# Allegro board parallella_gen1.brd (continued)
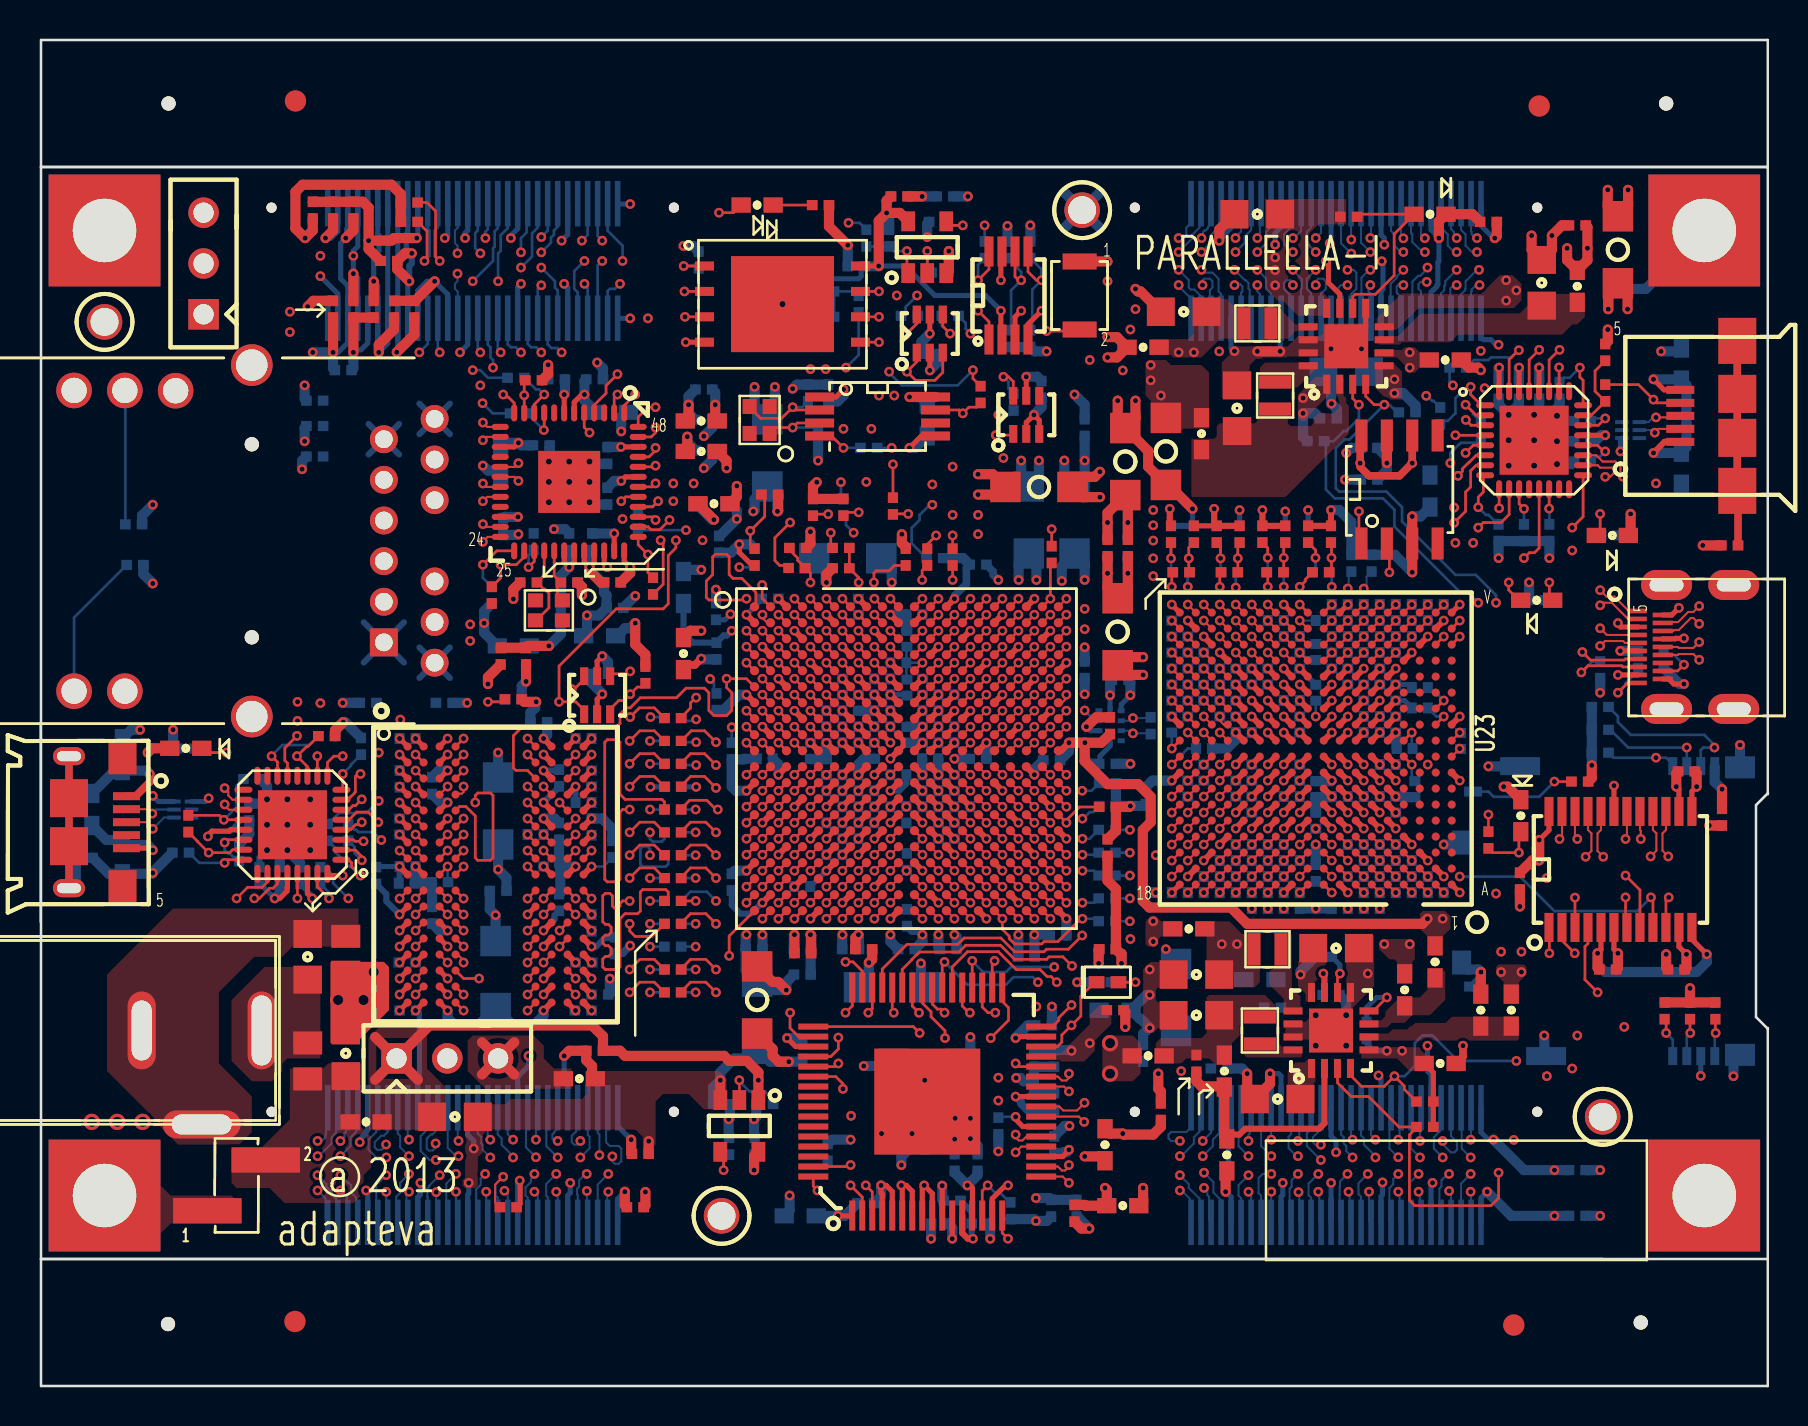
[diagram p0: board, top side]
## Routing (per net, layer and track width the routed paths; a pad name or vN(x,y) marks a point on that pad's centre or on a via; arc(x,y) is an arc through that point) (continued)
GPIO19_P: length 38.2
  TOP w0.102: v1(41.73,23.37) U2.Y9
  L3_SIG w0.095: v1(17.33,11.43) 17.53,11.63 17.76,11.63 18.06,11.94 18.06,12.76 19.28,13.97 20.5,13.97 20.88,14.35 24.44,14.35 25.12,15.04 27.99,15.04 30.41,17.45 36.57,17.45 36.95,17.83 39.35,17.83 39.87,18.35 39.87,19.04 39.42,19.48 39.17,19.48 39.09,19.56 39.09,20.83 39.17,20.9 39.42,20.9 39.63,20.7 39.63,20.57 39.93,20.27 40.58,20.27 41.01,20.7 41.01,21.51 41.63,22.13 41.63,23.26 v1(41.73,23.37)
  BOTTOM w0.102: v1(17.33,11.43) 16.82,11.43 16.44,11.81 16.44,12.32 16.82,12.7 16.82,13.84 J11.50
GPIO20_N: length 37.4
  TOP w0.102: U2.Y6 v1(39.33,23.37)
  L5_SIG w0.095: v1(15.03,10.54) 15.17,10.4 15.17,10.29 15.27,10.19 15.52,10.19 15.93,10.59 16.44,10.59 16.51,10.67 16.51,10.85 16.22,11.14 16.22,11.68 16.55,12.01 16.55,12.45 16.4,12.59 16.4,13.23 17.33,14.15 18.31,14.15 19.58,15.42 20.88,15.42 21.47,16 21.47,17.02 22.15,17.7 23.62,17.7 23.82,17.51 28.77,17.51 29.45,18.2 35.6,18.2 36.81,19.41 37.52,19.41 39.44,21.32 39.44,22.78 39.44,22.78 39.44,22.86 39.58,23 39.58,23.12 v1(39.33,23.37)
  BOTTOM w0.102: v1(15.03,10.54) 15.41,10.16 15.43,10.16 15.56,10.03 15.56,9.68 15.82,9.42 15.82,8.26 J11.53
GPIO20_P: length 37.5
  TOP w0.102: U2.Y7 v1(40.13,23.37)
  L5_SIG w0.095: v1(15.03,9.78) 15.03,9.53 15.15,9.4 15.45,9.4 15.67,9.62 15.67,9.91 16.06,10.29 16.56,10.29 16.82,10.54 16.82,10.97 16.52,11.26 16.52,11.56 16.86,11.89 16.86,12.57 16.71,12.72 16.71,13.1 17.45,13.84 18.44,13.84 19.71,15.11 21.01,15.11 21.77,15.88 21.77,16.89 22.28,17.4 23.5,17.4 23.69,17.21 28.89,17.21 29.58,17.89 35.73,17.89 36.94,19.1 37.65,19.1 39.74,21.2 39.74,22.65 39.74,22.65 39.74,22.73 39.89,22.87 39.89,23.24 40.01,23.37 v1(40.13,23.37)
  BOTTOM w0.102: J11.55 15.34,8.23 15.34,9.46 v1(15.03,9.78)
GPIO21_N: length 37.7
  TOP w0.102: U2.V7 v1(40.13,24.97)
  L3_SIG w0.095: v1(40.13,24.97) 40.09,24.97 40.03,24.91 40.03,24.68 39.74,24.39 39.74,23.14 39.46,22.86 39.46,22.35 38.24,21.13 38.24,19.52 37.82,19.1 36.88,19.1 35.99,18.21 30.03,18.21 28.7,16.89 28.25,16.89 27.87,17.27 25.63,17.27 25.5,17.15 25.5,16.29 25,15.79 24.73,15.79 24.06,15.11 20.37,15.11 19.99,14.73 19.1,14.73 18.32,13.94 17.35,13.94 17.25,13.84 17.25,13.39 16.82,12.95 15.72,12.95 15.59,12.81 15.59,12.05 v1(15.03,11.49)
  BOTTOM w0.102: v1(15.03,11.49) 15.53,12 15.53,12.43 15.8,12.7 15.8,12.76 15.89,12.86 J11.54
GPIO21_P: length 37.2
  TOP w0.102: U2.U7 v1(40.13,25.77)
  L3_SIG w0.095: v1(40.13,25.77) 40.08,25.77 39.72,25.41 39.72,24.81 39.48,24.56 39.17,24.56 38.94,24.33 38.94,23.07 39.16,22.86 39.16,22.48 37.94,21.26 37.94,19.65 37.7,19.41 36.76,19.41 35.87,18.52 29.9,18.52 28.58,17.2 28.37,17.2 27.99,17.58 25.5,17.58 25.2,17.27 25.2,16.42 24.87,16.09 24.6,16.09 23.93,15.42 20.25,15.42 19.87,15.04 18.98,15.04 18.19,14.25 17.22,14.25 16.94,13.97 16.94,13.51 16.69,13.26 15.6,13.26 15.28,12.94 15.28,12.38 15.15,12.26 v1(15.03,12.26)
  BOTTOM w0.102: v1(15.03,12.26) 15.23,12.46 15.23,12.63 15.29,12.69 15.29,13.81 J11.56
GPIO22_N: length 38.4
  TOP w0.102: U2.W6 v1(39.33,24.17)
  L5_SIG w0.095: v1(13.88,10.54) 13.88,10.29 14.01,10.16 14.15,10.16 14.28,10.03 14.4,10.03 14.61,10.24 14.61,10.41 14.43,10.59 14.43,11.02 14.61,11.2 14.61,12.57 14.99,12.95 15.55,12.95 17.33,14.73 18.21,14.73 19.23,15.75 19.23,17.45 19.81,18.03 21.77,18.03 21.9,18.16 23.75,18.16 23.88,18.03 28.32,18.03 29.14,18.85 35.1,18.85 38.32,22.06 38.58,22.06 38.94,22.43 38.94,23.78 v1(39.33,24.17)
  BOTTOM w0.102: v1(13.88,10.54) 14.33,10.1 14.33,9.96 14.58,9.7 14.58,9.59 14.82,9.36 14.82,8.26 J11.57
GPIO22_P: length 38.4
  TOP w0.102: U2.V6 v1(39.33,24.97)
  L5_SIG w0.095: v1(13.88,9.78) 13.41,10.25 13.41,10.67 13.69,10.95 13.92,10.95 14.3,11.33 14.3,12.7 14.86,13.26 15.42,13.26 17.2,15.04 18.09,15.04 18.93,15.87 18.93,17.58 19.69,18.34 21.64,18.34 21.77,18.47 23.88,18.47 24.01,18.34 28.2,18.34 29.01,19.15 34.98,19.15 38.14,22.31 38.14,24.33 38.39,24.58 38.94,24.58 v1(39.33,24.97)
  BOTTOM w0.102: J11.59 14.28,8.3 14.28,9.39 v1(13.88,9.78)
GPIO23_N: length 37.4
  TOP w0.102: U2.U5 v1(38.53,25.77)
  L3_SIG w0.095: v1(38.53,25.77) 38.43,25.66 38.43,25.48 38.14,25.19 38.14,22.27 37.82,21.95 37.82,21.72 36.92,20.81 36.92,20.34 35.56,18.99 35.31,18.99 29.53,18.99 28.58,18.03 23.63,18.03 23.55,18.11 22.15,18.11 22.07,18.03 20.37,18.03 19.1,16.76 19.1,15.88 18.09,14.86 16.45,14.86 14.64,13.05 14.64,12.02 14.11,11.49 v1(13.88,11.49)
  BOTTOM w0.102: v1(13.88,11.49) 13.95,11.49 14.58,12.13 14.58,12.44 14.82,12.68 14.82,13.84 J11.58
GPIO23_P: length 37.3
  TOP w0.102: U2.T5 v1(38.53,26.57)
  L3_SIG w0.095: v1(13.88,12.26) 13.88,12.2 14.01,12.07 14.26,12.07 14.33,12.14 14.33,13.17 16.32,15.16 17.96,15.16 18.8,16 18.8,16.89 20.24,18.33 21.94,18.33 22.02,18.41 23.68,18.41 23.75,18.34 28.45,18.34 29.4,19.29 35.44,19.29 36.61,20.47 36.61,20.94 37.52,21.84 37.52,21.97 37.34,22.15 37.34,25.15 37.57,25.38 37.9,25.38 38.12,25.61 38.12,26.11 38.33,26.32 38.33,26.37 v1(38.53,26.57)
  BOTTOM w0.102: v1(13.88,12.26) 14.09,12.26 14.28,12.44 14.28,12.57 14.32,12.61 14.32,13.84 J11.60
HDMI_5V: length 17.9
  TOP w0.254: U37.13 82.62,29.74 v1(82.86,29.97) ; v1(82.22,35.1) 81.71,35.1 81.46,35.36 J10.18
  TOP w0.508: v1(82.86,29.97) 82.86,30.65 C289.1
  L5_SIG w0.508: v1(82.22,35.1) 80.37,35.1 79.3,34.04 78.67,34.04 v1(78.03,34.67) 78.03,33.15 80.44,30.73 82.1,30.73 v1(82.86,29.97)
  BOTTOM w0.508: R19.2 v1(78.03,34.67) ; v1(82.22,35.1) 82.01,35.1 R21.2
HDMI_24M_CES_CLK: length 41
  TOP w0.133: U26.32 50.64,17.97 50.95,18.29 50.95,18.41 v1(51.59,19.05)
  L8_SIG w0.108: v1(51.59,19.05) 51.36,19.28 51.36,20.45 51.22,20.59 51.22,22.57 50.93,22.86 50.93,26.73 50.69,26.97 50.37,26.97 50.13,27.21 50.13,27.53 49.89,27.77 49.57,27.77 49.33,28.01 49.33,28.33 49.09,28.57 46.34,28.57 46.13,28.77 46.13,29.13 45.9,29.37 45.54,29.37 45.33,29.57 45.33,29.93 45.1,30.17 44.74,30.17 44.53,30.37 44.53,33.13 44.77,33.37 45.1,33.37 45.33,33.61 45.33,33.93 45.57,34.17 45.9,34.17 46.13,34.41 46.13,34.73 46.37,34.98 46.38,34.97 47.5,34.97 47.74,35.21 47.74,39.73 47.42,40.04 47.42,41.66 47.93,42.16 47.93,45.97 47.68,46.23 47.68,46.68 48.31,47.31 48.31,48.18 v1(47.93,48.56)
  BOTTOM w0.133: v1(47.93,48.56) 48.48,48.56 R114.2
HDMI_AVDD: length 11
  TOP w0.254: U26.15 47.63,9.37 48.29,10.03 v1(48.41,10.03) ; v1(51.46,11.81) 51.46,11.79 51.15,11.47 U26.19 ; U26.25 v1(48.8,14.47)
  TOP w0.508: v1(52.25,11.48) 53.05,11.48 C235.1
  BOTTOM w0.381: 49.58,13.8 49.37,13.8 49.08,14.1 49.08,14.19 v1(48.8,14.47)
  BOTTOM w0.508: 49.58,13.8 C234.1 C144.1 ; v1(49.81,9.4) 50.48,9.4 C233.1 FB15.2 ; v1(51.46,11.81) 51.35,11.7 51.19,11.7 51.14,11.65 C145.1
HDMI_BGVDD: length 3.6
  TOP w0.254: U26.13 46.64,8.51 46.64,9.91 46.51,10.03 v1(46.38,10.03)
  BOTTOM w0.508: C266.1 46.89,10.54 v1(46.38,10.03) 45.75,10.67 C263.1
HDMI_CEC: length 60
  TOP w0.133: U26.30 50.89,16.97 51.11,17.2 51.11,17.55 v1(51.59,18.03) 52.06,18.5 52.06,19.49 52.76,20.19 D1.1 ; U37.1 75.49,22.91 v1(75.49,21.64)
  L5_SIG w0.108: v1(51.59,18.03) 51.06,18.03 50.6,17.58 50.6,14.22 49.9,13.53 49.9,10.53 51.28,9.14 52.12,9.14 53.52,7.75 76.76,7.75 77.52,8.51 77.52,9.65 79.24,11.37 v1(79.24,17.96)
  L8_SIG w0.108: v1(75.49,21.64) 75.49,20.24 77.78,17.96 v1(79.24,17.96)
HDMI_CEC_B: length 19
  TOP w0.133: J10.13 79.28,36.36 79.23,36.3 77.54,36.3 v1(77.14,36.7) ; v1(79.3,24.43) 79.3,23 U37.7
  L5_SIG w0.108: v1(77.14,36.7) 77.52,36.32 77.52,35.43 77.14,35.05 77.14,32.51 79.81,29.84 79.81,28.45 80.57,27.69 80.57,27.18 79.94,26.54 79.94,25.07 v1(79.3,24.43)
HDMI_CLK: length 18.5
  TOP w0.133: U14.1 48.62,47.55 v1(47.81,47.55) ; U11.1 43.85,51.22 v1(43.36,50.72) 43.79,50.29 44.76,50.29 45.15,50.69 U11.3
  L5_SIG w0.108: v1(42.6,46.91) 42.67,46.91 43.23,46.35 44.5,46.35 44.88,46.74 46.99,46.74 v1(47.81,47.55)
  L8_SIG w0.108: v1(43.36,50.72) 42.78,51.31 42.09,51.31 41.84,51.05 41.84,50.18 41.46,49.8 41.46,48.77 42.6,47.62 v1(42.6,46.91)
  BOTTOM w0.133: R56.2 v1(42.6,46.91)
HDMI_CLK_23833727: length 29.3
  TOP w0.133: v1(39.93,16.13) 39.78,15.97 U26.53
  L8_SIG w0.108: v1(40.57,13.51) 44,13.51 47.17,16.69 49.2,16.69 51.11,18.59 51.81,18.59 52.06,18.85 52.06,19.45 52.38,19.77 52.38,20.45 52.11,20.71 52.11,21.66 52.73,22.28 52.73,26.04 v1(54.51,27.81)
  L10_SIG w0.108: v1(39.93,16.13) 39.68,15.88 39.68,14.02 40.19,13.51 v1(40.57,13.51)
  BOTTOM w0.133: R41.2 v1(54.51,27.81)
HDMI_D8: length 21.2
  TOP w0.133: v1(40.16,14.86) 40.16,15.11 39.8,15.47 U26.54 ; U2.Y18 v1(49.74,23.37)
  L5_SIG w0.108: v1(49.74,23.37) 50.13,22.97 50.13,20.66 50.35,20.45 50.35,19.81 49.96,19.43 49.58,19.43 49.22,19.07 49.22,15.24 48.99,15.01 48.97,15.01 48.95,14.99 48.64,14.99 v1(47.93,14.27)
  L10_SIG w0.108: v1(40.16,14.86) 47.35,14.86 v1(47.93,14.27)
HDMI_D9: length 21
  TOP w0.133: U26.52 39.55,16.47 39.93,16.85 v1(39.93,17.42) ; U2.W18 v1(49.74,24.17)
  L5_SIG w0.108: v1(49.74,24.17) 49.74,23.95 49.33,23.55 49.33,20.44 49.46,20.32 49.46,19.69 48.82,19.05 48.82,18.29 48.31,17.78 48.31,15.8 v1(47.93,15.42)
  L10_SIG w0.108: v1(39.93,17.42) 40.45,16.9 41.59,16.9 42.57,15.93 47.42,15.93 v1(47.93,15.42)
HDMI_D10: length 18.1
  TOP w0.133: U2.V18 v1(49.74,24.97) ; v1(37.52,18.67) 37.51,18.66 37.51,17.9 37.94,17.47 U26.50
  L10_SIG w0.108: v1(49.74,24.97) 49.53,24.77 49.33,24.77 49.13,24.57 48.77,24.57 48.54,24.33 48.54,23.97 48.33,23.77 47.97,23.77 47.74,23.53 47.74,23.17 47.3,22.73 47.04,22.73 45.77,21.46 45.77,21.08 45.39,20.7 43.42,20.7 42.69,19.97 39.33,19.97 38.03,18.67 v1(37.52,18.67)
HDMI_D11: length 14.7
  TOP w0.133: U26.49 43.67,17.97 v1(44,17.65) ; U2.V15 v1(47.34,24.97)
  L3_SIG w0.108: v1(44,17.65) 44.5,18.16 44.5,19.3 45.77,20.57 45.77,21.21 46.93,22.37 46.93,24.57 v1(47.34,24.97)
HDMI_D12: length 27
  TOP w0.133: U26.48 40.63,19.01 v1(40.29,18.67) ; U2.R18 v1(49.74,27.37)
  L10_SIG w0.108: v1(49.74,27.37) 49.97,27.37 50.37,27.77 51.54,27.77 51.74,27.56 51.74,27.2 51.98,26.97 52.46,26.97 53.39,26.04 53.39,20.57 52.27,19.45 49.73,19.45 48.19,17.91 44.76,17.91 44.5,18.16 43.36,18.16 42.98,17.78 41.18,17.78 v1(40.29,18.67)
HDMI_D13: length 16.8
  TOP w0.133: v1(40.29,21.21) 40.67,21.21 41.13,20.75 U26.47 ; U2.P18 v1(49.74,28.17)
  L3_SIG w0.108: v1(49.74,28.17) 49.56,27.99 49.32,27.99 49.1,27.77 48.69,27.77 48.53,27.61 48.53,27.2 48.3,26.97 43.86,26.97 42.93,26.04 42.93,25.6 42.7,25.37 42.37,25.37 42.13,25.13 42.13,24.8 41.9,24.57 41.57,24.57 41.33,24.33 41.33,24 41.1,23.77 40.78,23.77 40.54,23.53 40.54,22.25 40.29,22 v1(40.29,21.21)
HDMI_D14: length 14
  TOP w0.133: U2.Y19 v1(50.54,23.37) ; U26.46 41.63,18.87 v1(41.43,18.67)
  L10_SIG w0.108: v1(50.54,23.37) 50.54,22.42 47.75,19.63 46.15,19.63 45.71,19.18 43.8,19.18 43.23,18.61 43.23,18.54 42.85,18.16 41.96,18.16 41.84,18.29 41.81,18.29 v1(41.43,18.67)
HDMI_D15: length 15.5
  TOP w0.133: v1(52.12,22.53) 51.44,21.84 50.35,21.84 50.22,21.72 48.74,21.72 48.06,22.4 46.22,22.4 45.9,22.09 43.36,22.09 42.13,20.85 U26.45 ; U2.W19 v1(50.54,24.17)
  L5_SIG w0.108: v1(50.54,24.17) 50.93,23.77 50.93,23.03 51.44,22.53 v1(52.12,22.53)
HDMI_D16: length 10
  TOP w0.133: U26.44 42.63,18.74 v1(42.7,18.67) ; U2.W15 v1(47.34,24.17)
  L8_SIG w0.108: v1(47.34,24.17) 47.34,23.93 46.94,23.53 46.94,22.37 45.77,21.21 45.77,20.83 45.01,20.07 43.74,20.07 42.73,19.05 42.73,18.69 v1(42.7,18.67)
HDMI_D17: length 18.5
  TOP w0.133: U2.T19 v1(50.54,26.57) ; U26.43 43.13,20.84 43.6,21.31 43.6,21.32 43.87,21.59 43.88,21.59 44,21.7 45.96,21.7 46.3,22.04 48.04,22.04 48.74,21.34 50.35,21.34 50.47,21.46 51.16,21.46 v1(51.62,21.01)
  L10_SIG w0.108: v1(50.54,26.57) 50.94,26.17 51.5,26.17 51.74,25.93 51.74,25.53 52,25.27 52.17,25.27 52.81,24.64 52.81,22.15 52,21.34 51.95,21.34 v1(51.62,21.01)
HDMI_D18: length 20.7
  TOP w0.133: U2.R19 v1(50.54,27.37) ; v1(43.96,18.66) 43.63,19 U26.42
  L10_SIG w0.108: v1(43.96,18.66) 44.51,18.66 45.01,18.16 45.65,18.16 45.76,18.27 47.99,18.27 49.46,19.74 52.14,19.74 52.38,19.98 52.38,21.34 53.09,22.05 53.09,25.53 52.45,26.17 51.97,26.17 51.74,26.4 51.74,26.8 51.57,26.97 50.94,26.97 v1(50.54,27.37)
HDMI_D19: length 24.7
  TOP w0.133: v1(45.27,17.4) 45.27,17.77 44.57,18.47 44.57,18.71 44.13,19.15 U26.41 ; U2.P19 v1(50.54,28.17)
  L10_SIG w0.108: v1(45.27,17.4) 45.77,16.89 47.68,16.89 48.19,17.4 48.19,17.53 48.95,18.29 49.15,18.29 v1(49.84,18.97) 50.27,18.54 51.87,18.54 53.65,20.32 53.65,21.46 53.72,21.54 53.72,26.72 52.63,27.81 52,27.81 51.74,28.07 51.74,28.32 51.73,28.33 51.73,28.33 51.5,28.57 51.17,28.57 50.77,28.17 v1(50.54,28.17)
HDMI_D20: length 11.4
  TOP w0.133: v1(45.24,18.67) 45.06,18.85 44.88,18.85 44.63,19.1 U26.40 ; U2.W20 v1(51.34,24.17)
  L10_SIG w0.108: v1(45.24,18.67) 45.77,18.67 46.28,19.18 47.81,19.18 50.93,22.3 50.93,23.77 v1(51.34,24.17)
HDMI_D21: length 13
  TOP w0.133: v1(45.24,21.21) 45.13,21.1 U26.39 ; U2.V20 v1(51.34,24.97)
  L10_SIG w0.108: v1(51.34,24.97) 51.74,24.57 51.74,23.11 51.62,22.99 51.62,22.44 50.26,21.08 50.26,20.54 v1(49.91,20.19)
  BOTTOM w0.133: v1(45.24,21.21) 46.38,20.07 48.31,20.07 48.69,20.45 49.66,20.45 v1(49.91,20.19)
HDMI_D22: length 15.1
  TOP w0.133: U2.U20 v1(51.34,25.77) ; v1(50.85,20.19) 50.57,20.47 50.37,20.47 50.01,20.83 48.82,20.83 47.93,21.72 46.39,21.72 45.63,20.96 U26.38
  L10_SIG w0.108: v1(50.85,20.19) 50.85,19.99 51.22,20.35 51.22,21.32 51.41,21.51 51.74,21.51 52.54,22.31 52.54,24.35 51.34,25.55 v1(51.34,25.77)
HDMI_D23: length 14.2
  TOP w0.133: v1(46.51,18.67) 46.46,18.67 46.13,19 U26.37 ; U2.T20 v1(51.34,26.57)
  L3_SIG w0.108: v1(46.51,18.67) 49.18,21.34 49.2,21.34 50.14,22.27 50.14,24.33 50.38,24.57 51.94,24.57 52.57,25.2 52.57,25.96 52.35,26.17 51.73,26.17 v1(51.34,26.57)
HDMI_DE: length 27.2
  TOP w0.133: U26.63 40.47,10.97 v1(40.54,11.05)
  L8_SIG w0.108: v1(40.54,11.05) 40.96,11.47 43.75,11.47 44.12,11.1 48.95,11.1 49.71,11.86 49.71,12.34 52.1,14.73 52.5,14.73 52.89,15.11 52.89,16.96 52.9,16.98 52.9,17.31 52.89,17.33 52.89,17.61 53.69,18.41 53.69,21.39 54,21.69 54,23.88 v1(54.51,24.38)
  BOTTOM w0.133: R94.2 v1(54.51,24.38)
HDMI_DVDD: length 16.2
  TOP w0.254: v1(39.91,8.51) 40.61,8.51 U26.1 ; v1(37.37,17.4) 37.79,16.97 U26.51 ; U26.11 v1(45.63,7.37) ; v1(48.8,17.4) 48.87,17.47 U26.31
  L3_SIG w0.508: v1(39.91,8.51) 40.24,8.18 44.81,8.18 v1(45.63,7.37)
  BOTTOM w0.508: C67.1 40.25,8.51 v1(39.91,8.51) C232.1 ; C58.1 45.63,7.91 v1(45.63,7.37) ; v1(37.37,17.4) 37.91,17.4 C231.1 ; C230.1 49.41,18.03 48.8,17.42 v1(48.8,17.4)
HDMI_HPD: length 43.1
  TOP w0.133: U37.4 77.42,22.12 77.27,21.97 77.27,20.32 v1(77.9,19.69) ; v1(48.41,7.37) 48.13,7.65 U26.16
  L3_SIG w0.108: v1(48.41,7.37) 50.17,7.37 51.87,9.07 53.14,9.07 53.52,8.69 72.62,8.69 73.84,9.91 73.84,10.16 76.35,12.67 76.35,14.51 77.4,15.56 77.4,19.18 v1(77.9,19.69)
HDMI_HPD_B: length 18.8
  TOP w0.133: U37.10 81.32,24.3 v1(81.46,24.43) ; J10.19 79.41,35.16 v1(78.92,34.67)
  L5_SIG w0.108: v1(78.92,34.67) 78.29,35.31 77.9,35.31 77.52,34.92 77.52,32.64 80.19,29.97 80.19,28.96 81.97,27.18 81.97,24.94 v1(81.46,24.43)
  BOTTOM w0.133: R24.1 79.59,35.56 79.59,35.43 79.3,35.14 79.3,35.05 v1(78.92,34.67)
HDMI_HSYNC: length 29.5
  TOP w0.133: U26.64 38.68,9.99 v1(38.89,9.78)
  L8_SIG w0.108: v1(38.89,9.78) 38.89,11.33 40.58,13.02 44.12,13.02 46.01,14.91 49.43,14.91 49.68,15.16 49.68,16.1 51.11,17.53 51.74,17.53 52.7,18.48 52.7,20.62 52.44,20.88 52.44,21.32 53.11,22 53.11,25.27 v1(54.51,26.67)
  BOTTOM w0.133: R44.2 v1(54.51,26.67)
HDMI_INT: length 22.1
  TOP w0.133: v1(48.8,16.13) 48.95,15.97 U26.28 ; U2.P20 v1(51.34,28.17) 51.34,28.3 52,28.96 R22.1
  L3_SIG w0.108: v1(48.8,16.13) 48.41,16.51 47.68,16.51 47.04,17.14 47.04,17.65 47.42,18.03 47.81,18.03 48.31,18.54 48.31,19.94 50.35,21.97 52.25,21.97 53.01,22.73 53.01,26.29 52.63,26.67 52.63,27.56 52.38,27.81 52,27.81 51.64,28.17 v1(51.34,28.17)
HDMI_PVDD: length 6.2
  TOP w0.305: U26.12 46.13,7.65 46.41,7.37 v1(46.66,7.37)
  TOP w0.508: FB18.2 52.25,9.06 52.29,9.02 C296.1 53.35,9.82 v1(53.27,9.91)
  BOTTOM w0.305: v1(46.66,7.37) 46.6,7.43 C264.1 46.6,8.71 C265.1
HDMI_TX0_N: length 59.2
  TOP w0.102: v1(48.8,11.68) 49.09,11.97 U26.20 ; v1(80.06,27.36) 80.06,27.77 80.02,27.81 U37.17 ; J10.9 79.28,37.16 79.18,37.25 78.28,37.25 v1(78.03,37.01)
  L10_SIG w0.095: v1(48.8,11.68) 49.09,11.98 50.73,11.98 51.02,12.27 52.48,12.27 52.82,11.93 54.91,11.93 56.62,13.64 70.54,13.64 77.14,20.24 78.67,20.24 79.75,21.32 79.75,23.56 80.06,23.88 80.06,25.83 79.81,26.09 79.81,27.1 v1(80.06,27.36) 79.83,27.58 79.83,30.05 77.26,32.63 77.26,34.81 76.63,35.43 76.63,36.91 77.1,37.37 77.67,37.37 v1(78.03,37.01)
HDMI_TX0_P: length 59.2
  TOP w0.102: U37.18 79.37,27.43 v1(79.3,27.36) ; U26.21 49.33,12.47 49.14,12.28 48.95,12.28 48.8,12.43 v1(48.8,12.57) ; v1(78.03,37.89) 78.37,37.56 J10.7
  L10_SIG w0.095: v1(78.03,37.89) 77.82,37.68 76.97,37.68 76.33,37.03 76.33,35.31 76.95,34.68 76.95,32.5 79.53,29.92 79.53,27.58 v1(79.3,27.36) 79.3,27.3 79.5,27.1 79.5,25.96 79.76,25.71 79.76,24 79.44,23.69 79.44,21.45 78.54,20.55 77.02,20.55 70.41,13.94 56.49,13.94 54.78,12.23 52.95,12.23 52.61,12.57 50.89,12.57 50.6,12.28 49.09,12.28 v1(48.8,12.57)
HDMI_TX1_N: length 61.6
  TOP w0.102: v1(78.19,26.47) 77.9,26.76 77.9,27.63 78.07,27.81 U37.20 ; v1(52.22,13.21) 51.96,13.47 U26.23 ; v1(82.98,38.12) 82.69,38.4 82.56,38.4 81.97,37.81 81.74,37.81 81.69,37.76 J10.6
  L10_SIG w0.095: v1(82.98,38.12) 82.69,38.4 82.48,38.4 82.22,38.15 80.7,38.15 80.19,38.66 78.67,38.66 78.29,38.28 76.77,38.28 75.33,36.85 75.33,35.56 76.4,34.49 76.4,31.39 77.9,29.89 77.9,26.76 v1(78.19,26.47) 77.9,26.18 77.9,25.81 77.51,25.42 77.51,24.15 76.24,22.87 76.24,21.02 69.95,14.73 66.22,14.73 65.76,15.19 64.06,15.19 63.6,14.73 53.82,14.73 53.43,14.34 53.43,13.84 53.12,13.53 52.43,13.53 52.33,13.44 52.33,13.3 52.24,13.21 v1(52.22,13.21)
HDMI_TX1_P: length 61.7
  TOP w0.102: v1(77.3,26.47) 77.59,26.76 77.59,27.63 77.42,27.81 U37.21 ; J10.4 81.21,38.2 81.93,38.2 82.44,38.71 82.69,38.71 v1(82.98,39) ; U26.24 50.98,13.97 51.18,13.78 51.87,13.78 52.24,14.15 v1(52.24,14.17)
  L10_SIG w0.095: v1(82.98,39) 82.69,38.71 82.35,38.71 82.1,38.46 80.82,38.46 80.32,38.96 78.54,38.96 78.16,38.59 76.64,38.59 75.02,36.97 75.02,35.43 76.09,34.36 76.09,31.26 77.59,29.76 77.59,26.76 v1(77.3,26.47) 77.3,26.43 77.6,26.14 77.6,25.94 77.21,25.55 77.21,24.27 75.94,23 75.94,21.14 69.83,15.04 66.35,15.04 65.89,15.49 63.93,15.49 63.48,15.04 53.7,15.04 53.13,14.47 53.13,13.97 53,13.84 52.43,13.84 52.33,13.93 52.33,14.07 v1(52.24,14.17)
HDMI_TX2_N: length 53.8
  TOP w0.102: v1(76.89,27.36) 76.77,27.47 U37.22 ; v1(78.03,39.04) 78.16,39.17 78.62,39.17 79.33,38.45 79.33,38.45 79.43,38.36 J10.3 ; U26.26 51.22,14.97 v1(51.46,14.73)
  L10_SIG w0.095: v1(51.46,14.73) 51.75,15.02 51.96,15.02 53.19,16.26 55.04,16.26 57.84,19.05 60,19.05 62.26,21.31 70.64,21.31 71.55,22.23 73.66,22.23 76.56,25.12 76.56,27.03 v1(76.89,27.36) 76.6,27.65 76.6,28.08 76.18,28.5 75.57,28.5 74.53,29.54 74.53,30.66 75.49,31.62 75.49,32.89 74.47,33.92 74.47,37.76 75.95,39.24 77.83,39.24 v1(78.03,39.04)
HDMI_TX2_P: length 54.1
  TOP w0.102: U26.27 50.91,15.47 51.11,15.28 51.34,15.28 51.46,15.41 v1(51.46,15.62) ; v1(76,27.36) 76.12,27.48 U37.23 ; v1(78.03,39.8) 78.36,39.47 78.74,39.47 79.46,38.76 J10.1
  L10_SIG w0.095: v1(78.03,39.8) 77.78,39.55 75.82,39.55 74.16,37.89 74.16,33.79 75.19,32.77 75.19,31.75 74.22,30.78 74.22,29.41 75.44,28.19 76.05,28.19 76.29,27.95 76.29,27.65 v1(76,27.36) 76.25,27.1 76.25,25.25 73.54,22.53 71.43,22.53 70.51,21.62 62.13,21.62 59.87,19.35 57.71,19.35 54.92,16.56 53.06,16.56 51.83,15.33 51.75,15.33 v1(51.46,15.62)
HDMI_TXC_N: length 61.1
  TOP w0.102: v1(81.44,26.48) 81.15,26.77 81.15,27.63 81.32,27.81 U37.15 ; v1(82.98,36.32) 82.69,36.6 81.96,36.6 81.92,36.56 J10.12 ; v1(51.46,10.16) 51.15,10.47 U26.17
  L10_SIG w0.095: v1(51.46,10.16) 51.75,10.45 56.14,10.45 56.61,10.92 56.61,12.52 56.83,12.75 71.55,12.75 76.78,17.98 78.16,17.98 80.63,20.44 80.63,20.69 80.63,20.69 80.63,22.41 82.22,24 82.22,24.82 81.21,25.83 81.21,26.25 v1(81.44,26.48) 81.15,26.77 81.15,30.46 79.68,31.93 79.68,35.48 80.83,36.63 82.67,36.63 v1(82.98,36.32)
HDMI_TXC_P: length 61.3
  TOP w0.102: v1(82.98,37.2) 82.69,36.91 81.96,36.91 81.92,36.96 J10.10 ; U37.16 80.67,27.81 80.84,27.63 80.84,26.77 v1(80.56,26.48) ; U26.18 50.91,10.97 51.11,10.78 51.28,10.78 51.46,10.97 v1(51.46,11.05)
  L10_SIG w0.095: v1(82.98,37.2) 82.72,36.93 80.7,36.93 79.38,35.61 79.38,31.8 80.84,30.33 80.84,26.77 v1(80.56,26.48) 80.9,26.13 80.9,25.71 81.92,24.69 81.92,24.13 80.32,22.54 80.32,20.57 78.04,18.28 76.65,18.28 71.43,13.06 56.71,13.06 56.3,12.65 56.3,11.05 56.01,10.76 51.75,10.76 v1(51.46,11.05)
HDMI_VSYNC: length 29.2
  TOP w0.133: U26.2 41.13,9.45 v1(40.54,10.03)
  L8_SIG w0.108: v1(40.54,10.03) 40.03,10.54 40.03,11.3 40.59,11.86 47.04,11.86 47.31,12.13 48.96,12.13 50.35,13.51 50.35,16.26 51.36,17.27 51.87,17.27 53.35,18.75 53.35,21.58 53.49,21.73 53.49,24.51 v1(54.51,25.53)
  BOTTOM w0.133: R42.2 v1(54.51,25.53)
I2C_SCL: length 141.7
  TOP w0.133: U26.35 47.13,18.95 47.41,18.67 v1(47.78,18.67) ; v1(65.97,49.07) 65.66,49.38 U30.3 ; U37.8 80.02,24.81 v1(79.3,25.53)
  L3_SIG w0.108: v1(79.3,25.53) 78.79,26.04 78.79,26.67 76.25,29.21 75.36,29.21 74.86,29.72 74.86,31.12 76.02,32.28 76.02,34.39 71.94,38.48 v1(71.94,39.17)
  L5_SIG w0.108: v1(29.01,55.12) 29.03,55.13 35.32,55.13 35.74,55.55 44.12,55.55 44.77,54.9 48.66,54.9 48.95,54.61 50.6,54.61 50.85,54.36 55.04,54.36 57.08,52.32 62.71,52.32 v1(65.97,49.07) ; v1(79.3,25.53) 78.79,25.02 78.79,23.88 80,22.67 80,11.62 79.43,11.05 79.43,9.02 77.85,7.44 51.54,7.44 50.29,8.69 49.52,8.69 49.14,9.07 49.14,10.08 48.63,10.59 48.19,10.59 47.42,11.35 47.42,16.13 48.06,16.76 48.06,18.39 v1(47.78,18.67)
  BOTTOM w0.133: v1(71.94,39.17) 71.43,39.67 71.05,39.67 67.74,42.98 67.74,43.81 67.17,44.39 64.76,44.39 64.32,44.83 64.32,47.16 R284.2 64.7,47.24 65.2,47.75 65.33,47.75 65.97,48.39 v1(65.97,49.07) ; v1(29.01,55.12) 28.76,54.86 28.5,54.86 28.39,54.76 J13.3
I2C_SDA: length 125.2
  TOP w0.133: v1(46.63,21.26) U26.36 ; v1(80.57,24.43) 80.67,24.33 U37.9 ; v1(67.24,49.07) 66.73,49.07 66.31,49.49 U30.4
  L3_SIG w0.108: v1(50.73,20.95) 51.36,21.59 52.25,21.59 54.41,23.75 55.04,23.75 55.43,24.13 56.62,24.13 57,24.51 57,24.83 57.24,25.07 58.36,25.07 58.6,25.31 58.6,25.66 58.83,25.88 70.6,25.88 v1(71.01,25.48) ; v1(80.57,24.43) 79.81,25.2 79.81,25.78 79.17,26.42 79.17,26.8 76.38,29.59 75.62,29.59 75.32,29.89 75.32,31.07 76.47,32.22 76.47,34.58 72.82,38.23 v1(72.82,39.17)
  L5_SIG w0.108: v1(29.14,56.26) 29.9,55.5 35.11,55.5 35.61,56.01 40.95,56.01 41.38,56.44 42.34,56.44 42.53,56.25 43.23,56.25 43.47,56.01 44.25,56.01 44.76,55.5 46.41,55.5 46.66,55.75 49.2,55.75 49.58,55.37 49.58,55.12 49.84,54.86 50.85,54.86 50.98,54.74 53.65,54.74 54.28,55.37 55.04,55.37 55.43,54.99 55.43,54.61 57.33,52.7 62.92,52.7 64.82,50.8 65.51,50.8 v1(67.24,49.07)
  BOTTOM w0.133: v1(29.14,56.26) 29.14,57.02 28.39,57.77 J13.4 ; v1(50.73,20.95) 48.57,20.95 48.31,20.7 47.17,20.7 46.63,21.25 v1(46.63,21.26) ; v1(72.82,39.17) 72.82,39.55 71.81,40.56 70.79,40.56 68.13,43.23 68.13,43.94 67.34,44.73 64.98,44.73 64.81,44.9 64.81,46.9 65.24,47.33 65.5,47.33 v1(67.24,49.07) 67.49,49.07 67.87,48.69 R285.2 ; v1(80.57,24.43) 79.89,23.75 75.75,23.75 74.02,25.48 v1(71.01,25.48)
JTAG_BOOT_EN: length 24.3
  L5_SIG w0.108: v1(40.31,50.93) 39.8,51.43 37.77,51.43 37.39,51.05 31.68,51.05 30.79,51.94 27.87,51.94 27.36,52.45 22.79,52.45 v1(22.02,51.69)
  BOTTOM w0.133: R97.2 40.95,51.56 v1(40.31,50.93) ; v1(22.02,51.69) 21.89,51.82 J13.29
JTAG_TCK: length 39.9
  TOP w0.133: U2.F9 v1(41.73,35.37)
  L8_SIG w0.108: v1(41.33,45.21) 41.92,44.62 41.92,40.79 42.14,40.58 42.14,35.77 v1(41.73,35.37)
  L10_SIG w0.108: v1(18.98,51.69) 19.48,51.18 19.5,51.2 21.88,51.2 22.15,50.93 22.15,50.67 22.77,50.05 22.77,49.17 24.77,47.17 27.61,47.17 28.77,48.33 31.1,48.33 31.68,47.75 31.68,47.61 32.21,47.08 32.23,47.08 32.57,46.74 34.85,46.74 36.12,45.47 37.95,45.47 38.66,44.75 40.87,44.75 v1(41.33,45.21)
  BOTTOM w0.133: v1(18.98,51.69) 19.39,52.11 J13.39
JTAG_TDI: length 50.1
  TOP w0.133: R9.1 19.36,59.18 19.79,58.75 19.79,56.47 v1(19.99,56.26) ; U2.G6 v1(39.33,34.57)
  L5_SIG w0.108: v1(39.33,34.57) 38.93,34.97 38.93,35.53 38.69,35.77 38.37,35.77 38.14,36.01 38.14,37.15 37.92,37.37 37.57,37.37 37.34,37.61 37.34,37.93 37.1,38.17 30.8,38.17 30.39,37.75 29.61,37.75 29.59,37.77 22.91,37.77 22.41,37.26 v1(21.52,37.26)
  L8_SIG w0.108: v1(21.52,37.26) 22.21,37.26 22.66,37.71 22.66,40.89 22.64,40.91 22.64,41.24 23.17,41.76 23.17,47.29 22.72,47.74 21.77,47.74 21.25,48.26 21.25,49.42 20.5,50.16 20.5,54.86 20.25,55.12 20.25,56.01 v1(19.99,56.26)
  BOTTOM w0.133: v1(19.99,56.26) 19.74,56.52 19.74,57.78 19.89,57.94 J13.38
JTAG_TDO: length 48.2
  TOP w0.133: R10.1 19.36,57.75 19.36,56.39 v1(19.23,56.26) ; U2.F6 v1(39.33,35.37)
  L5_SIG w0.108: v1(39.33,35.37) 39.33,35.45 38.93,35.85 38.93,37.13 38.69,37.37 38.37,37.37 38.13,37.61 38.13,37.93 37.89,38.17 37.57,38.17 37.34,38.41 37.34,38.73 37.1,38.97 34.72,38.97 34.7,38.99 34.37,38.99 34.34,38.97 31.29,38.97 31.08,39.18 30.75,39.18 30.53,38.97 29.19,38.97 28.36,38.13 22.77,38.13 22.34,37.71 21.9,37.71 v1(21.52,38.09)
  L8_SIG w0.108: v1(21.52,38.09) 21.52,41.39 21.77,41.64 22.41,41.64 22.79,42.02 22.79,46.41 22.47,46.72 21.64,46.72 21.01,47.36 21.01,49.02 19.48,50.55 19.48,54.1 19.23,54.36 v1(19.23,56.26)
  BOTTOM w0.133: v1(19.23,56.26) 19.48,56.52 19.48,57.78 19.39,57.88 J13.40